# Altium PCB BEAGLEPLAYV020_220915.brd.PcbDoc (part 4 of 12)
Units mm, origin at the board's own origin, x right, y up, seen from the top; angles counter-clockwise.
Board outline 80 x 80 mm, 8 copper layers (TOP, LYR2_GND, LYR3, LAY4_PWR1, LAY5_PWR2, LAY6, LYR7_GND, BOTTOM), stack 1.545 mm thick; 782 components, 546 nets, 2864 pads, 2056 vias.
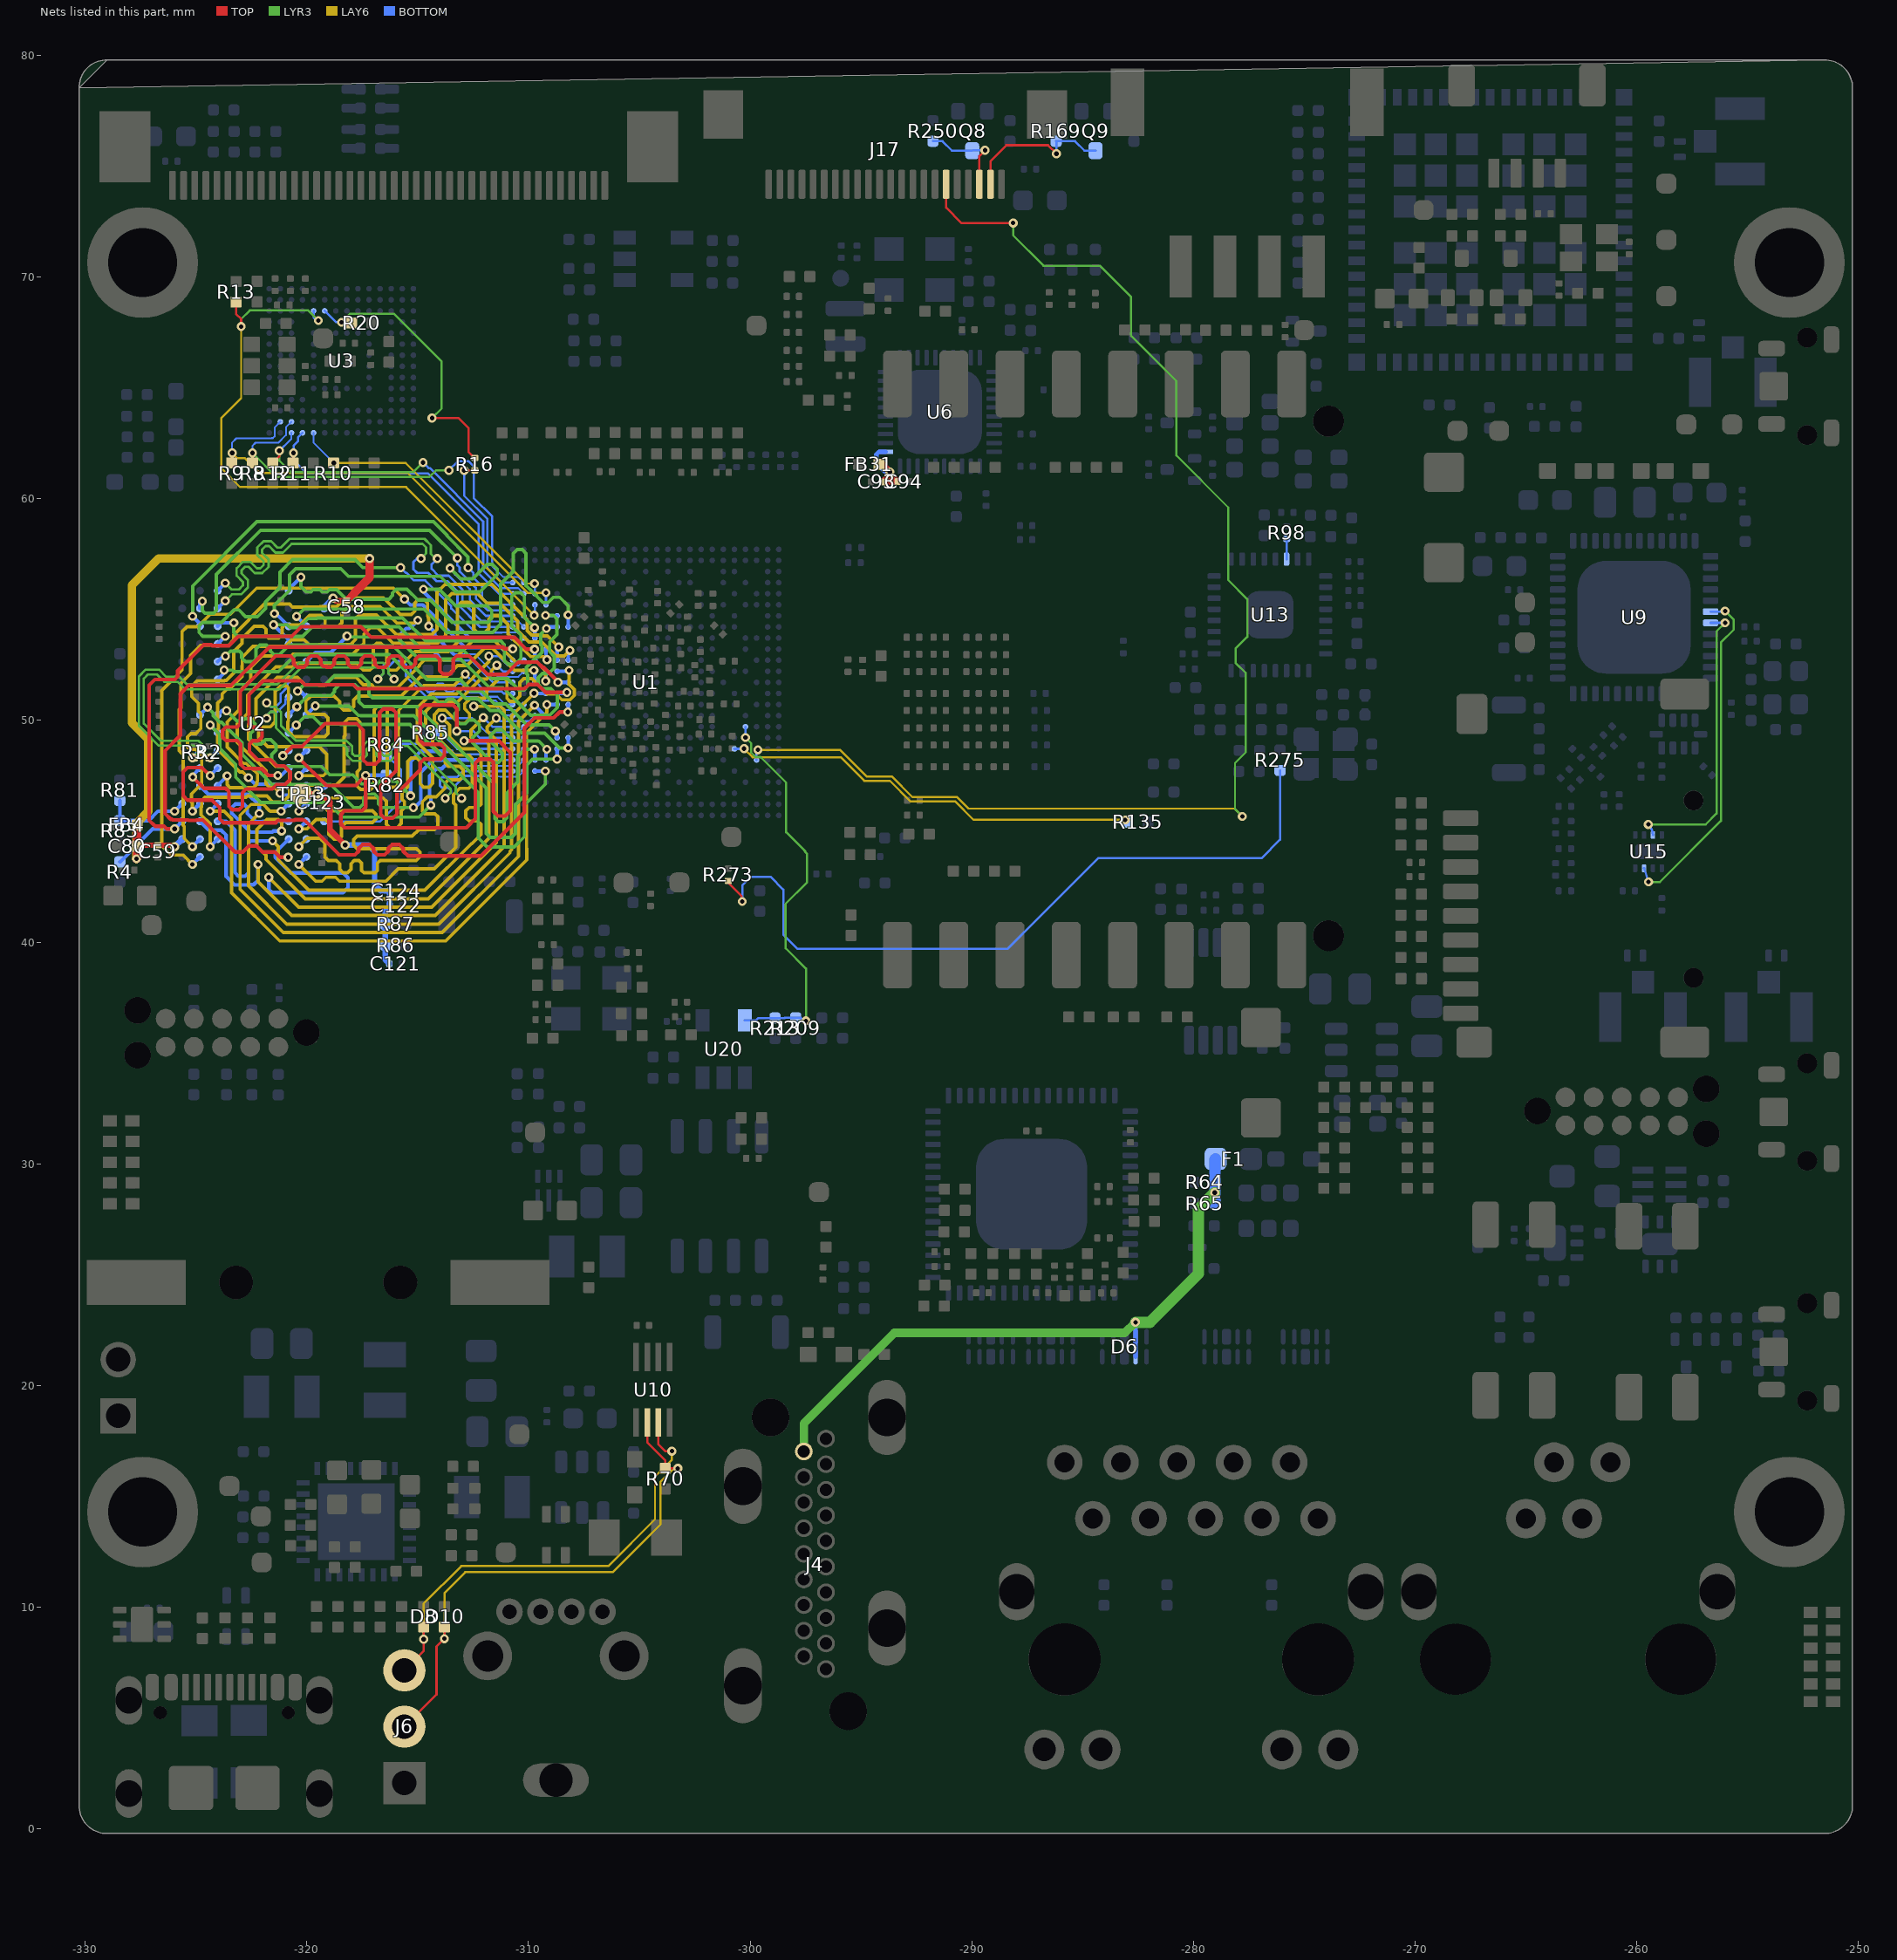
[diagram p10: the nets of this part, all layers, seen from the top]

## Via types
v1: diameter 0.406/0/0.406/0/0/0/0/0.406 (per signal layer), hole 0.203, TOP to BOTTOM, 334 vias
v2: diameter 0.406/0.406/0/0/0/0/0.406/0.406 (per signal layer), hole 0.203, TOP to BOTTOM, 282 vias
v3: diameter 0.406/0/0/0/0/0.406/0/0.406 (per signal layer), hole 0.203, TOP to BOTTOM, 255 vias
v4: diameter 0.406/0.406/0/0/0/0.406/0.406/0.406 (per signal layer), hole 0.203, TOP to BOTTOM, 253 vias
v5: diameter 0.406, hole 0.203, TOP to BOTTOM, 212 vias
v6: diameter 0.406/0.406/0.406/0/0/0.406/0.406/0.406 (per signal layer), hole 0.203, TOP to BOTTOM, 173 vias
v7: diameter 0.406/0/0/0.406/0/0/0/0.406 (per signal layer), hole 0.203, TOP to BOTTOM, 131 vias
v8: diameter 0.406/0/0/0/0.406/0/0/0.406 (per signal layer), hole 0.203, TOP to BOTTOM, 98 vias
v9: diameter 0.406/0.406/0/0.406/0/0/0.406/0.406 (per signal layer), hole 0.203, TOP to BOTTOM, 93 vias
v10: diameter 0.406/0/0.406/0/0/0.406/0/0.406 (per signal layer), hole 0.203, TOP to BOTTOM, 87 vias
v11: diameter 0.406/0.406/0/0.406/0/0.406/0.406/0.406 (per signal layer), hole 0.203, TOP to BOTTOM, 44 vias
v12: diameter 0.406/0.406/0.406/0.406/0/0.406/0.406/0.406 (per signal layer), hole 0.203, TOP to BOTTOM, 40 vias
v13: diameter 0.406/0.406/0.406/0/0/0/0.406/0.406 (per signal layer), hole 0.203, TOP to BOTTOM, 19 vias
v14: diameter 0.406/0/0/0.406/0/0.406/0/0.406 (per signal layer), hole 0.203, TOP to BOTTOM, 15 vias
v15: diameter 0.406/0/0/0/0.406/0.406/0/0.406 (per signal layer), hole 0.203, TOP to BOTTOM, 13 vias
v16: diameter 0.406/0/0.406/0/0.406/0/0/0.406 (per signal layer), hole 0.203, TOP to BOTTOM, 3 vias
v17: diameter 0.406/0/0.406/0.406/0/0/0/0.406 (per signal layer), hole 0.203, TOP to BOTTOM, 3 vias
v18: diameter 0.406/0.406/0.406/0.406/0/0/0.406/0.406 (per signal layer), hole 0.203, TOP to BOTTOM, 1 vias

## Nets (pads, with @x,y where several pads share a name; then routed paths per layer and width w, separated by ;. In a path a pad name is that pad's centre, name@x,y a point inside that pad or via, vN(x,y) a via of type N, cw(c..) or ccw(c..) an arc to the next point about the centre after c; other vN are vias at no path point) (continued)
CLKOUT: R98.1 U13.30 | length 0.9
  BOTTOM w0.102: U13.30@-275.805,57.277 -275.805,57.755 -275.797,57.763 R98.1@-275.797,58.192
CLKOUT0: R273.2 R275.2 | length 34
  TOP w0.102: R273.2@-300.991,42.763 -300.991,42.673 -300.38,42.062 -300.38,41.859 v5(-300.355,41.834)
  BOTTOM w0.102: v5(-300.355,41.834) -300.355,42.562 -299.963,42.953 -299.257,42.953 -299.078,42.953 -298.501,42.375 -298.501,40.335 -297.866,39.7 -288.392,39.7 -284.302,43.79 -276.936,43.79 -276.1,44.626 R275.2@-276.1,47.747
CSI0_GPIO1: J17.17 U1.F23 | length 61.3
  TOP w0.102: J17.17@-291.161,74.187 -291.161,73.127 -290.474,72.441 v1(-288.138,72.441)
  LYR3 w0.097: v1(-288.138,72.441) -288.138,71.882 -286.766,70.51 -284.226,70.51 -282.816,69.101 -282.816,67.348 -280.772,65.303 -280.772,61.951 -278.432,59.611 -278.432,56.335 -277.571,55.474 -277.571,53.772 -278.102,53.241 -278.102,52.601 -277.647,52.146 -277.647,48.565 -278.13,48.082 -278.13,45.999 v10(-277.8,45.669)
  LAY6 w0.097: -297.104,48.677 -295.95,48.677 -294.751,47.478 -293.616,47.478 -292.678,46.539 -290.664,46.539 -290.149,46.025 -278.155,46.025 v10(-277.8,45.669)
  LAY6 w0.102: v3(-299.652,48.677) -297.104,48.677
  BOTTOM w0.102: U1.F23@-299.711,48.219 -299.711,48.616 -299.652,48.675 v3(-299.652,48.677)
CSI0_GPIO2: R135.1 U1.G21 | length 19.1
  LAY6 w0.097: -297.104,48.342 -295.915,48.342 -294.853,47.28 -293.698,47.28 -292.76,46.341 -290.746,46.341 -289.922,45.517 v3(-283.083,45.517)
  LAY6 w0.102: v3(-300.274,48.73) -299.886,48.342 -297.104,48.342
  BOTTOM w0.102: U1.G21@-300.711,48.719 -300.314,48.719 -300.304,48.73 v3(-300.274,48.73) ; v3(-283.083,45.517) -283.078,45.517 R135.1@-282.978,45.416
CSI_SCL: J17.20 Q8.3 R250.2 | length 4.2
  TOP w0.102: J17.20@-289.661,74.187 -289.661,75.464 v5(-289.408,75.717)
  BOTTOM w0.102: R250.2@-291.757,76.127 -291.329,76.127 -290.903,75.701 Q8.3@-289.983,75.701 -289.966,75.717 v5(-289.408,75.717)
CSI_SDA: J17.21 Q9.3 R169.2 | length 7
  TOP w0.102: J17.21@-289.161,74.187 -289.161,75.227 -288.442,75.946 -286.563,75.946 v5(-286.182,75.565)
  BOTTOM w0.102: v5(-286.182,75.565) -286.182,76.113 R169.2@-286.196,76.127 -285.342,76.127 -284.916,75.701 Q9.3@-284.421,75.701
DDR_A0: U1.J1 U2.P3 | length 29
  LAY6 w0.152: v3(-321.136,45.016) -321.136,45.385 -321.281,45.53 -321.805,45.53 -322.25,45.085 -322.25,44.323 -321.843,43.917 -321.843,43.733 -320.071,41.961 -314.52,41.961 -311.788,44.693 -311.788,48.971 -311.915,49.098 -312.445,49.098 -312.598,49.251 -312.598,49.573 v3(-312.039,50.132)
  BOTTOM w0.102: v3(-312.039,50.132) -311.627,49.719 U1.J1@-310.711,49.719
  BOTTOM w0.168: v3(-321.136,45.016) -321.504,45.016 -321.553,44.967 -322.538,44.967 -323.394,45.823 -323.394,46.06 -323.226,46.228 -322.834,46.228 -322.682,46.076 -322.682,45.811 -322.304,45.433 -321.992,45.433 -321.973,45.452 U2.P3@-320.819,45.452
DDR_A1: U1.J2 U2.P7 | length 29.3
  LAY6 w0.152: v3(-321.544,44.571) -321.284,44.311 -321.284,43.713 -319.913,42.342 -314.678,42.342 -312.577,44.442 -312.555,44.442 -312.141,44.856 -312.141,45.313 -312.293,45.466 -312.674,45.466 -312.826,45.618 -312.826,45.923 -312.674,46.075 -312.293,46.075 -312.141,46.228 -312.141,48.565 -312.293,48.717 -313.03,48.717 -313.563,49.25 -313.563,49.776 v3(-313.893,50.107)
  BOTTOM w0.081: -312.141,49.7 -311.911,49.471 -310.46,49.471 U1.J2@-310.211,49.719
  BOTTOM w0.102: v3(-313.893,50.107) -312.547,50.107 -312.141,49.7
  BOTTOM w0.168: U2.P7@-324.019,45.452 -323.638,45.452 -323.24,45.054 -323.24,43.129 -323.088,42.977 -322.783,42.977 -322.631,43.129 -322.631,44.475 -322.535,44.571 v3(-321.544,44.571)
DDR_A2: U1.K3 U2.R3 | length 29.3
  LAY6 w0.152: v3(-321.716,42.926) -320.37,41.58 -314.362,41.58 -311.455,44.487 -311.455,49.124 -311.861,49.53 -311.861,49.7 v3(-311.455,50.107)
  BOTTOM w0.081: v3(-311.455,50.107) -311.429,50.107 -311.293,49.97 -309.96,49.97 U1.K3@-309.711,50.219
  BOTTOM w0.168: v3(-321.716,42.926) -321.716,42.393 -321.564,42.24 -318.37,42.24 -318.141,42.469 -318.141,42.907 -318.356,43.122 -320.718,43.122 -321.426,43.829 -321.426,44.045 U2.R3@-320.819,44.652
DDR_A3: U1.L5 U2.N7 | length 28.5
  LAY6 w0.152: v3(-324.361,45.911) -323.736,45.911 -323.393,45.568 -323.393,42.229 -321.22,40.056 -313.73,40.056 -310.073,43.712 -310.073,44.219 -310.088,44.234 -310.088,49.445 -309.169,50.364 v3(-309.169,50.719)
  BOTTOM w0.168: v3(-324.361,45.911) U2.N7@-324.019,46.252 ; v3(-309.169,50.719) U1.L5@-308.711,50.719
DDR_A4: U1.K4 U2.N3 | length 28.6
  LAY6 w0.152: v3(-321.16,45.911) -321.653,45.911 -321.691,45.949 -321.697,45.949 -321.96,46.212 -322.52,46.212 -323.012,45.72 -323.012,42.387 -321.062,40.437 -313.888,40.437 -310.454,43.87 -310.454,49.962 v3(-309.727,50.689)
  BOTTOM w0.168: v3(-321.16,45.911) U2.N3@-320.819,46.252 ; v3(-309.727,50.689) -309.257,50.219 U1.K4@-309.211,50.219
DDR_A5: U1.K1 U2.P8 | length 29.1
  LAY6 w0.152: v3(-322.199,43.51) -322.199,42.723 -320.675,41.199 -314.204,41.199 -311.094,44.308 -311.094,50.464 -311.27,50.64 v3(-312.471,50.64)
  BOTTOM w0.102: v3(-312.471,50.64) -311.48,50.64 -311.06,50.219 U1.K1@-310.711,50.219
  BOTTOM w0.168: U2.P8@-324.819,45.452 -324.427,45.06 -324.187,45.06 -324.176,45.048 -323.855,45.048 -323.637,44.83 -323.637,42.965 -323.252,42.581 -322.619,42.581 -322.604,42.596 -322.402,42.596 -322.199,42.799 v3(-322.199,43.51)
DDR_A6: U1.R2 U2.P2 | length 28.5
  LAY6 w0.152: v3(-320.36,45.111) -319.992,45.111 -319.573,45.53 -319.164,45.53 -319.007,45.372 -319.007,44.865 -318.781,44.639 -318.575,44.639 -318.44,44.774 -318.44,45.208 -318.245,45.403 -317.033,45.403 -316.88,45.555 -316.88,45.771 -317.033,45.923 -319.054,45.923 -319.207,46.076 -319.207,46.393 -319.092,46.507 -316.56,46.507 -316.408,46.355 -316.408,45.321 -316.255,45.169 -315.925,45.169 -315.739,45.355 -315.739,45.921 -315.595,46.065 -315.595,46.342 -315.697,46.443 -315.697,46.759 -315.443,47.013 -315.443,48.153 -315.29,48.305 -315.036,48.305 -314.884,48.153 -314.884,47.142 -314.731,46.99 -314.49,46.99 -314.325,47.155 -314.325,48.33 -315.016,49.021 -315.016,50.572 -314.387,51.201 -313.232,51.201 -311.785,52.648 v3(-311.785,52.901)
  BOTTOM w0.081: v3(-311.785,52.901) -311.353,52.901 -310.923,52.471 -310.46,52.471 U1.R2@-310.211,52.719
  BOTTOM w0.168: v3(-320.36,45.111) U2.P2@-320.019,45.452
DDR_A7: U1.P2 U2.R8 | length 28.9
  LAY6 w0.152: v3(-325.161,44.311) -325.526,44.676 -325.526,45.216 -325.58,45.269 -325.58,48.469 -325.755,48.644 -325.755,50.495 -325.679,50.571 -325.679,51.683 -325.247,52.115 -325.247,52.934 -324.79,53.391 -323.542,53.391 -323.297,53.636 -323.297,53.862 -321.914,55.245 -320.777,55.245 -320.651,55.119 -320.214,55.119 -320.207,55.126 -319.407,55.126 -319.397,55.136 -318.657,55.136 -318.268,55.524 -316.537,55.524 -315.787,54.775 -315.29,54.775 -315.138,54.927 -315.138,55.296 -314.985,55.448 -314.706,55.448 -314.554,55.296 -314.554,54.72 -314.525,54.692 -314.525,54.645 -314.503,54.623 v3(-314.503,54.254)
  BOTTOM w0.081: -313.375,52.987 -312.405,52.987 -311.388,51.97 -310.46,51.97 U1.P2@-310.211,52.219
  BOTTOM w0.168: v3(-325.161,44.311) U2.R8@-324.819,44.652 ; v3(-314.503,54.254) -314.237,53.988 -314.237,53.849 -313.375,52.987
DDR_A8: U1.P1 U2.R2 | length 29.2
  LAY6 w0.152: v3(-320.36,44.311) -319.979,44.692 -319.402,44.692 -319.179,44.469 -319.179,43.841 -319.026,43.688 -318.675,43.688 -318.522,43.536 -318.522,43.285 -318.37,43.133 -318.154,43.133 -318.002,43.285 -318.002,43.536 -317.859,43.679 -317.643,43.679 -317.525,43.561 -317.525,43.231 -317.424,43.129 -316.916,43.129 -316.814,43.231 -316.814,43.561 -316.687,43.688 -315.061,43.688 -314.896,43.853 -314.896,44.069 -315.048,44.221 -317.729,44.221 -317.881,44.374 -317.881,44.628 -317.729,44.78 -315.245,44.78 -314.94,45.085 -314.249,45.085 -314.096,45.237 -314.096,45.669 -314.223,45.796 -314.681,45.796 -314.789,45.904 -314.789,46.329 -314.559,46.558 -314.159,46.558 -313.766,46.951 -313.766,47.167 -313.614,47.32 -313.106,47.32 -312.953,47.472 -312.953,47.777 -313.106,47.929 -313.614,47.929 -313.766,48.082 -313.766,48.311 -314.325,48.869 -314.325,49.489 -314.635,49.799 -314.635,50.414 -314.229,50.82 -313.213,50.82 -312.161,51.872 -311.882,51.872 -311.681,52.073 -311.681,52.243 v3(-311.429,52.494)
  BOTTOM w0.102: v3(-311.429,52.494) -311.155,52.219 U1.P1@-310.711,52.219
  BOTTOM w0.168: v3(-320.36,44.311) U2.R2@-320.019,44.652
DDR_A9: U1.P4 U2.R7 | length 28.8
  LAY6 w0.152: v3(-324.361,44.311) -324.361,45.336 -324.767,45.742 -324.767,46.079 -324.742,46.105 -324.742,46.38 -324.589,46.533 -322.738,46.533 -322.678,46.593 -321.802,46.593 -321.539,46.33 -321.067,46.33 -320.779,46.617 -320.779,47.669 -321.04,47.93 -321.412,47.93 -322.631,49.149 -322.631,49.818 -322.294,50.155 -322.294,50.988 -321.339,51.943 -320.427,51.943 -320.096,51.613 -319.165,51.613 -318.835,51.943 -317.779,51.943 -317.449,51.613 -317.083,51.613 -316.956,51.486 -315.903,51.486 -314.919,52.47 -314.919,52.507 -314.696,52.73 -313.385,52.73 -312.522,53.594 -311.541,53.594 -310.571,52.624 -309.606,52.624 -309.225,52.243 v3(-309.225,51.78)
  BOTTOM w0.168: v3(-324.361,44.311) U2.R7@-324.019,44.652 ; v3(-309.225,51.78) -309.211,51.795 U1.P4@-309.211,52.219
DDR_A10: U1.R5 U2.M3 | length 28.8
  LAY6 w0.152: v3(-322.631,47.422) -322.891,47.682 -323.018,47.682 -324.028,48.692 -324.028,49.588 -323.98,49.636 -323.98,49.952 -324.028,50 -324.028,50.783 -323.818,50.993 -323.818,51.199 -323.585,51.432 -323.466,51.432 -322.916,51.983 -322.916,52.471 -322.91,52.476 -322.91,52.857 -322.428,53.34 -320.98,53.34 -320.675,53.645 -320.116,53.645 -319.885,53.413 -319.476,53.413 -319.463,53.426 -318.028,53.426 -317.805,53.649 -317.805,54.585 -317.627,54.762 -316.853,54.762 -315.964,53.873 -314.363,53.873 -314.135,54.102 -314.135,54.115 -314.122,54.127 -314.122,55.778 -313.766,56.134 -311.64,56.134 -310.057,54.551 -310.057,54.048 -309.864,53.855 -309.363,53.855 -309.331,53.823 -309.143,53.823 v3(-308.635,53.315)
  BOTTOM w0.168: v3(-322.631,47.422) -322.332,47.123 -321.028,47.123 -321.021,47.117 -320.884,47.117 U2.M3@-320.819,47.052 ; U1.R5@-308.711,52.719 -308.711,53.239 v3(-308.635,53.315)
DDR_A11: U1.P5 U2.T2 | length 28.6
  LAY6 w0.152: v3(-320.36,43.51) -319.598,42.748 -319.312,42.748 -319.134,42.926 -318.702,42.926 -318.524,42.748 -316.433,42.748 -315.874,43.307 -314.251,43.307 -313.284,44.275 -313.284,46.177 -313.385,46.279 -313.385,46.66 -313.106,46.939 -312.699,46.939 -312.547,47.092 -312.547,48.285 -312.7,48.438 -313.334,48.438 -313.944,49.048 -313.944,49.647 -314.254,49.957 -314.254,50.256 -314.043,50.467 -313.744,50.467 -313.15,49.873 -312.877,49.873 -312.661,50.089 -312.661,50.304 -312.881,50.524 -312.881,50.74 -312.62,51.001 -311.991,51.001 -311.887,51.105 -311.887,51.333 -311.328,51.892 -311.074,51.892 -310.972,51.791 -310.972,51.003 -310.839,50.87 -310.623,50.87 -310.388,51.105 -310.388,51.714 -310.21,51.892 -309.847,51.892 -309.162,51.206 -308.762,51.206 -308.491,50.935 -308.132,50.935 -307.939,51.128 -307.939,51.402 -308.169,51.632 v3(-308.169,52.263)
  BOTTOM w0.168: v3(-320.36,43.51) U2.T2@-320.019,43.852 ; U1.P5@-308.711,52.219 -308.212,52.219 v3(-308.169,52.263)
DDR_A12: U1.R6 U2.M7 | length 28.4
  LAY6 w0.152: v3(-323.596,47.498) -323.596,47.101 -323.469,46.974 -322.405,46.974 -322.253,47.127 -322.253,47.225 -322.224,47.253 -322.224,47.59 -322.462,47.828 -322.498,47.828 -322.733,48.063 -322.86,48.063 -323.596,48.799 -323.596,49.931 -323.056,50.471 -323.056,51.304 -322.535,51.825 -322.535,52.395 -322.021,52.908 -320.692,52.908 -320.616,52.984 -317.931,52.984 -317.424,53.491 -317.424,53.899 -317.144,54.178 -316.807,54.178 -316.122,53.492 -314.091,53.492 -313.741,53.842 -313.741,55.448 -313.461,55.728 -312.306,55.728 -311.874,55.296 -311.302,55.296 -310.49,54.483 -310.49,54.052 -309.981,53.543 -309.397,53.543 -308.765,52.911 -308.379,52.911 v3(-308.127,53.162)
  BOTTOM w0.168: U2.M7@-324.019,47.052 -324.019,47.075 v3(-323.596,47.498) ; U1.R6@-308.211,52.719 -308.211,53.078 v3(-308.127,53.162)
DDR_A13: U1.R1 U2.T8 | length 29.3
  LAY6 w0.152: v3(-325.161,43.51) -325.58,43.93 -326.119,43.93 -326.542,44.353 -326.542,51.359 -325.628,52.273 -325.628,54.006 -325.405,54.229 -324.917,54.229 -324.358,54.788 -323.443,54.788 -322.261,55.97 -316.092,55.97 v3(-315.595,55.474)
  BOTTOM w0.102: -312.826,53.264 -311.255,53.264 U1.R1@-310.711,52.719
  BOTTOM w0.168: v3(-325.161,43.51) U2.T8@-324.819,43.852 ; v3(-315.595,55.474) -315.329,55.208 -314.77,55.208 -312.826,53.264
DDR_A14_WEN: U1.N3 U2.L2 | length 28.6
  LAY6 w0.152: v3(-320.36,47.511) -319.253,47.511 -319.1,47.663 -319.1,48.479 -319.44,48.819 -321.762,48.819 -322.174,49.231 -322.174,49.523 -321.981,49.716 -321.651,49.716 -321.428,49.939 -321.428,51.315 -321.186,51.556 -320.906,51.556 -320.829,51.479 -320.829,49.981 -320.858,49.952 -320.858,49.536 -320.599,49.276 -319.18,49.276 -319.047,49.409 -319.047,50.122 -319.2,50.274 -319.888,50.274 -320.04,50.427 -320.04,50.884 -319.819,51.105 -318.768,51.105 -318.518,50.854 -318.518,50.655 -318.335,50.473 -318.033,50.473 -317.881,50.625 -317.881,50.927 -317.703,51.105 -315.745,51.105 -314.881,51.968 -313.715,51.968 -313.207,52.476 -312.776,52.476 -311.991,53.261 -311.635,53.261 -310.637,52.263 v3(-309.756,52.263)
  BOTTOM w0.168: v3(-320.36,47.511) U2.L2@-320.019,47.852 ; v3(-309.756,52.263) -309.711,52.219 U1.N3@-309.711,51.719
DDR_A15_CAS: U1.M4 U2.M8 | length 28.9
  LAY6 w0.152: v3(-322.148,45.809) -322.631,45.326 -322.631,42.545 -320.904,40.818 -314.046,40.818 -310.835,44.028 -310.835,44.105 -310.769,44.171 -310.769,50.208 v3(-309.749,51.228)
  BOTTOM w0.168: U2.M8@-324.819,47.052 -324.43,46.663 -322.634,46.663 -322.148,46.177 v3(-322.148,45.809) ; v3(-309.749,51.228) -309.705,51.228 -309.696,51.22 U1.M4@-309.211,51.22
DDR_A16_RAS: U1.M5 U2.L8 | length 28.2
  TOP w0.168: v5(-325.145,47.447) -324.637,46.939 -323.669,46.939 -323.516,46.787 -323.516,46.126 -323.364,45.974 -323.059,45.974 -322.907,46.126 -322.907,46.746 -322.739,46.914 -321.553,46.914 -321.364,47.103 -320.983,47.103 -320.746,47.339 -320.746,47.683 -321.019,47.955 -321.361,47.955 -321.63,48.224 -322.214,48.224 -322.59,48.6 -322.59,48.947 -322.453,49.084 -322.199,49.084 -322.021,49.262 -322.021,49.542 -322.174,49.694 -322.453,49.694 -322.605,49.846 -322.605,51.156 -321.97,51.791 -320.268,51.791 -320.091,51.613 -319.475,51.613 -319.469,51.606 -319.125,51.606 -319.119,51.613 -317.906,51.613 -317.729,51.435 -310.185,51.435 -310.001,51.618 -309.584,51.618 -309.378,51.412 -309.375,51.412 -309.228,51.265 v5(-308.269,51.265)
  BOTTOM w0.168: v5(-325.145,47.447) -325.145,47.526 U2.L8@-324.819,47.852 ; U1.M5@-308.711,51.22 -308.315,51.22 v5(-308.269,51.265)
DDR_ACTN: U1.N6 U2.L3 | length 28.1
  TOP w0.168: v5(-321.31,47.523) -321.724,47.523 -322.029,47.828 -322.451,47.828 -322.459,47.836 -322.803,47.836 -322.986,48.02 -322.986,48.939 -323.139,49.092 -323.647,49.092 -323.799,49.244 -323.799,49.549 -323.647,49.701 -323.139,49.701 -323.002,49.839 -323.002,51.32 -321.413,52.908 -320.743,52.908 -320.59,52.756 -320.59,52.553 -320.438,52.4 -320.133,52.4 -319.981,52.553 -319.981,52.756 -319.828,52.908 -319.524,52.908 -319.371,52.756 -319.371,52.553 -319.253,52.434 -319.125,52.434 -319.091,52.4 -318.914,52.4 -318.762,52.553 -318.762,52.756 -318.609,52.908 -318.304,52.908 -318.152,52.756 -318.152,52.553 -318,52.4 -317.695,52.4 -317.542,52.553 -317.542,52.756 -317.39,52.908 -317.085,52.908 -316.933,52.756 -316.933,52.553 -316.78,52.4 -316.476,52.4 -316.323,52.553 -316.323,52.756 -316.171,52.908 -315.866,52.908 -315.714,52.756 -315.714,52.553 -315.561,52.4 -315.256,52.4 -315.104,52.553 -315.104,52.756 -314.952,52.908 -314.158,52.908 -314.005,52.756 -314.005,52.248 -313.853,52.095 -313.548,52.095 -313.396,52.248 -313.396,52.756 -313.243,52.908 -312.674,52.908 -311.836,52.07 -311.023,52.07 -310.464,52.629 -309.911,52.629 -309.908,52.631 -309.603,52.631 -309.359,52.387 -309.308,52.387 -308.669,51.748 v5(-308.669,51.719)
  BOTTOM w0.168: v5(-321.31,47.523) -321.148,47.523 U2.L3@-320.819,47.852 ; v5(-308.669,51.719) U1.N6@-308.211,51.719
DDR_ALERTN: R4.2 U1.R3 U2.P9 | length 30.6
  TOP w0.168: v5(-325.961,45.111) -326.32,45.111 -326.439,45.23 -326.838,45.23 -327.109,45.5 -327.109,51.592 -326.852,51.849 -325.956,51.849 -325.821,51.985 -325.821,52.238 -324.694,53.365 ; -324.693,53.365 -324.65,53.408 -324.306,53.408 -324.268,53.37 -323.515,53.37 -323.088,53.797 -320.675,53.797 -320.243,54.229 -317.563,54.229 -317.093,53.759 -314.668,53.759 -314.655,53.746 -310.624,53.746 -310.09,53.212 v5(-309.727,53.212)
  BOTTOM w0.168: R4.2@-328.433,43.629 -328.412,43.629 -327.641,44.399 -327.641,44.421 -326.952,45.111 v5(-325.961,45.111) U2.P9@-325.619,45.452 ; v5(-309.727,53.212) -309.711,53.196 U1.R3@-309.711,52.719
DDR_BA0: U1.M1 U2.N2 | length 28.6
  LAY6 w0.152: v3(-320.36,45.911) -320.36,46.939 -320.208,47.092 -318.668,47.092 -318.313,47.447 -318.313,49.272 -318.285,49.3 -318.285,49.931 -318.133,50.084 -317.754,50.084 -317.602,49.931 -317.602,47.808 -317.729,47.681 -317.729,47.041 -317.576,46.888 -317.119,46.888 -316.967,47.041 -316.967,50.474 -316.814,50.626 -316.516,50.626 -316.369,50.479 -316.369,47.146 -316.217,46.994 -316.001,46.994 -315.849,47.146 -315.849,49.239 -315.883,49.273 -315.883,49.589 -315.849,49.622 -315.849,50.461 -314.728,51.582 -313.361,51.582 v3(-312.853,52.09)
  BOTTOM w0.102: v3(-312.853,52.09) -312.611,51.848 -312.485,51.848 -311.937,51.3 -311.201,51.3 -311.12,51.22 U1.M1@-310.711,51.22
  BOTTOM w0.168: v3(-320.36,45.911) U2.N2@-320.019,46.252
DDR_BA1: U1.N1 U2.N8 | length 28.9
  LAY6 w0.152: v3(-325.161,45.911) -325.161,46.279 -325.199,46.317 -325.199,46.683 -324.742,47.14 -324.742,48.431 -325.003,48.692 -325.264,48.692 -325.374,48.802 -325.374,49.261 -325.222,49.413 -325.003,49.413 -324.78,49.636 -324.78,50.307 -324.888,50.416 -324.888,50.778 -325.196,51.087 -325.196,51.537 -324.942,51.791 -323.723,51.791 -323.7,51.813 -323.624,51.813 -323.297,52.141 -323.297,52.629 -323.291,52.634 -323.291,53.103 -322.916,53.478 -322.916,53.704 -322.366,54.254 -321.978,54.254 -321.843,54.12 -321.843,53.838 -321.727,53.721 -321.271,53.721 -321.119,53.873 -321.119,54.188 -320.991,54.315 -320.304,54.315 -319.874,54.745 -319.362,54.745 -319.176,54.559 -319.176,54.305 -319.075,54.204 -318.612,54.204 -318.414,54.401 -318.414,54.839 -318.11,55.143 -316.695,55.143 -315.945,54.394 -315.122,54.394 v3(-314.992,54.524)